# Altium PCB PCB1.PcbDoc (part 2 of 15)
Units mil, origin at the board's own origin, x right, y up, seen from the top; angles counter-clockwise.
Board outline 9210.27 x 4350.4 mil, 4 copper layers (Top Layer, Layer 1, Layer 2, Bottom Layer), stack 23.756 mil thick; 1550 components, 1731 nets, 5200 pads, 1882 vias.
Unrouted connection lines stored in the file: 605.
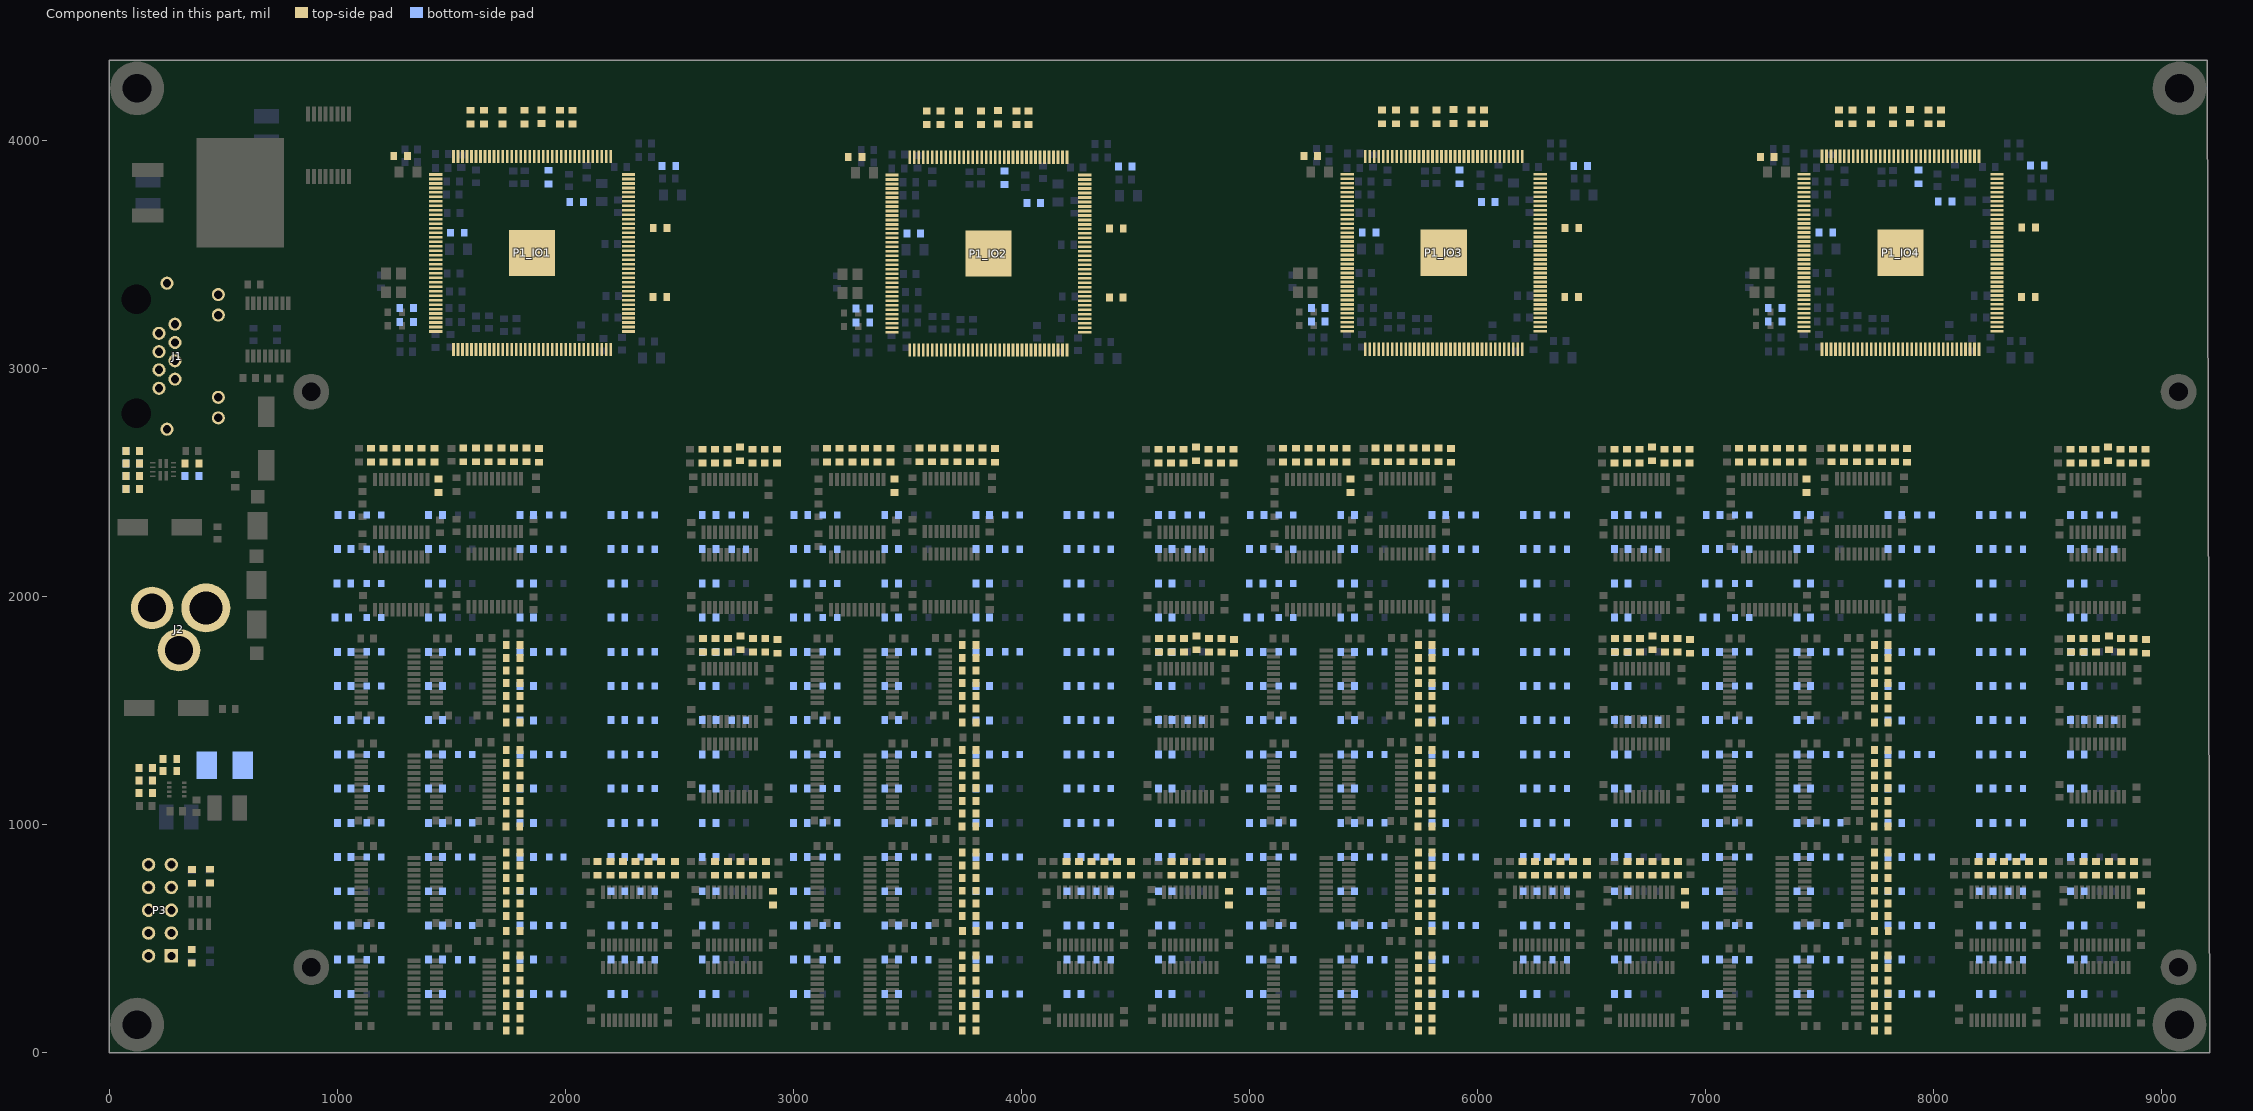
[diagram p4: the components of this part, seen from the top]

## Components (designator, comment, footprint, x,y, rotation, side; value= is the part's Value field where it differs from the comment) (continued)
D10_U_LED_BUFFER51 "LEDG" LED_0603 1160.63,1157.16 r180 bottom value=GREEN
D10_U_LED_BUFFER52 "LEDG" LED_0603 3160.63,1157.16 r180 bottom value=GREEN
D10_U_LED_BUFFER53 "LEDG" LED_0603 5160.63,1157.16 r180 bottom value=GREEN
D10_U_LED_BUFFER54 "LEDG" LED_0603 7160.63,1157.16 r180 bottom value=GREEN
D10_U_LED_BUFFER61 "LEDG" LED_0603 2760.63,1457.16 r180 bottom value=GREEN
D10_U_LED_BUFFER62 "LEDG" LED_0603 4760.63,1457.16 r180 bottom value=GREEN
D10_U_LED_BUFFER63 "LEDG" LED_0603 6760.63,1457.16 r180 bottom value=GREEN
D10_U_LED_BUFFER64 "LEDG" LED_0603 8760.63,1457.16 r180 bottom value=GREEN
D10_U_LED_BUFFER71 "LEDG" LED_0603 1960.63,857.16 r180 bottom value=GREEN
D10_U_LED_BUFFER72 "LEDG" LED_0603 3960.63,857.16 r180 bottom value=GREEN
D10_U_LED_BUFFER73 "LEDG" LED_0603 5960.63,857.16 r180 bottom value=GREEN
D10_U_LED_BUFFER74 "LEDG" LED_0603 7960.63,857.16 r180 bottom value=GREEN
D10_U_LED_BUFFER81 "LEDG" LED_0603 1560.63,407.16 r180 bottom value=GREEN
D10_U_LED_BUFFER82 "LEDG" LED_0603 3560.63,407.16 r180 bottom value=GREEN
D10_U_LED_BUFFER83 "LEDG" LED_0603 5560.63,407.16 r180 bottom value=GREEN
D10_U_LED_BUFFER84 "LEDG" LED_0603 7560.63,407.16 r180 bottom value=GREEN
D10_U_LED_BUFFER91 "LEDG" LED_0603 2360.63,407.16 r180 bottom value=GREEN
D10_U_LED_BUFFER92 "LEDG" LED_0603 4360.63,407.16 r180 bottom value=GREEN
D10_U_LED_BUFFER93 "LEDG" LED_0603 6360.63,407.16 r180 bottom value=GREEN
D10_U_LED_BUFFER94 "LEDG" LED_0603 8360.63,407.16 r180 bottom value=GREEN
D11_U_LED_BUFFER11 "LEDG" LED_0603 1160.63,1907.16 r180 bottom value=GREEN
D11_U_LED_BUFFER12 "LEDG" LED_0603 3160.63,1907.16 r180 bottom value=GREEN
D11_U_LED_BUFFER13 "LEDG" LED_0603 5160.63,1907.16 r180 bottom value=GREEN
D11_U_LED_BUFFER14 "LEDG" LED_0603 7160.63,1907.16 r180 bottom value=GREEN
D11_U_LED_BUFFER21 "LEDG" LED_0603 2360.63,2207.16 r180 bottom value=GREEN
D11_U_LED_BUFFER22 "LEDG" LED_0603 4360.63,2207.16 r180 bottom value=GREEN
D11_U_LED_BUFFER23 "LEDG" LED_0603 6360.63,2207.16 r180 bottom value=GREEN
D11_U_LED_BUFFER24 "LEDG" LED_0603 8360.63,2207.16 r180 bottom value=GREEN
D11_U_LED_BUFFER31 "LEDG" LED_0603 2760.63,2207.16 r180 bottom value=GREEN
D11_U_LED_BUFFER32 "LEDG" LED_0603 4760.63,2207.16 r180 bottom value=GREEN
D11_U_LED_BUFFER33 "LEDG" LED_0603 6760.63,2207.16 r180 bottom value=GREEN
D11_U_LED_BUFFER34 "LEDG" LED_0603 8760.63,2207.16 r180 bottom value=GREEN
D11_U_LED_BUFFER41 "LEDG" LED_0603 1160.63,1607.16 r180 bottom value=GREEN
D11_U_LED_BUFFER42 "LEDG" LED_0603 3160.63,1607.16 r180 bottom value=GREEN
D11_U_LED_BUFFER43 "LEDG" LED_0603 5160.63,1607.16 r180 bottom value=GREEN
D11_U_LED_BUFFER44 "LEDG" LED_0603 7160.63,1607.16 r180 bottom value=GREEN
D11_U_LED_BUFFER51 "LEDG" LED_0603 1960.63,1307.16 r180 bottom value=GREEN
D11_U_LED_BUFFER52 "LEDG" LED_0603 3960.63,1307.16 r180 bottom value=GREEN
D11_U_LED_BUFFER53 "LEDG" LED_0603 5960.63,1307.16 r180 bottom value=GREEN
D11_U_LED_BUFFER54 "LEDG" LED_0603 7960.63,1307.16 r180 bottom value=GREEN
D11_U_LED_BUFFER61 "LEDG" LED_0603 2360.63,1007.16 r180 bottom value=GREEN
D11_U_LED_BUFFER62 "LEDG" LED_0603 4360.63,1007.16 r180 bottom value=GREEN
D11_U_LED_BUFFER63 "LEDG" LED_0603 6360.63,1007.16 r180 bottom value=GREEN
D11_U_LED_BUFFER64 "LEDG" LED_0603 8360.63,1007.16 r180 bottom value=GREEN
D11_U_LED_BUFFER71 "LEDG" LED_0603 1560.63,857.16 r180 bottom value=GREEN
D11_U_LED_BUFFER72 "LEDG" LED_0603 3560.63,857.16 r180 bottom value=GREEN
D11_U_LED_BUFFER73 "LEDG" LED_0603 5560.63,857.16 r180 bottom value=GREEN
D11_U_LED_BUFFER74 "LEDG" LED_0603 7560.63,857.16 r180 bottom value=GREEN
D11_U_LED_BUFFER81 "LEDG" LED_0603 1160.63,407.16 r180 bottom value=GREEN
D11_U_LED_BUFFER82 "LEDG" LED_0603 3160.63,407.16 r180 bottom value=GREEN
D11_U_LED_BUFFER83 "LEDG" LED_0603 5160.63,407.16 r180 bottom value=GREEN
D11_U_LED_BUFFER84 "LEDG" LED_0603 7160.63,407.16 r180 bottom value=GREEN
D11_U_LED_BUFFER91 "LEDG" LED_0603 2360.63,557.16 r180 bottom value=GREEN
D11_U_LED_BUFFER92 "LEDG" LED_0603 4360.63,557.16 r180 bottom value=GREEN
D11_U_LED_BUFFER93 "LEDG" LED_0603 6360.63,557.16 r180 bottom value=GREEN
D11_U_LED_BUFFER94 "LEDG" LED_0603 8360.63,557.16 r180 bottom value=GREEN
D12_U_LED_BUFFER11 "LEDG" LED_0603 1160.63,2057.16 r180 bottom value=GREEN
D12_U_LED_BUFFER12 "LEDG" LED_0603 3160.63,2057.16 r180 bottom value=GREEN
D12_U_LED_BUFFER13 "LEDG" LED_0603 5160.63,2057.16 r180 bottom value=GREEN
D12_U_LED_BUFFER14 "LEDG" LED_0603 7160.63,2057.16 r180 bottom value=GREEN
D12_U_LED_BUFFER21 "LEDG" LED_0603 1960.63,2207.16 r180 bottom value=GREEN
D12_U_LED_BUFFER22 "LEDG" LED_0603 3960.63,2207.16 r180 bottom value=GREEN
D12_U_LED_BUFFER23 "LEDG" LED_0603 5960.63,2207.16 r180 bottom value=GREEN
D12_U_LED_BUFFER24 "LEDG" LED_0603 7960.63,2207.16 r180 bottom value=GREEN
D12_U_LED_BUFFER31 "LEDG" LED_0603 2760.63,2357.16 r180 bottom value=GREEN
D12_U_LED_BUFFER32 "LEDG" LED_0603 4760.63,2357.16 r180 bottom value=GREEN
D12_U_LED_BUFFER33 "LEDG" LED_0603 6760.63,2357.16 r180 bottom value=GREEN
D12_U_LED_BUFFER34 "LEDG" LED_0603 8760.63,2357.16 r180 bottom value=GREEN
D12_U_LED_BUFFER41 "LEDG" LED_0603 1960.63,1757.16 r180 bottom value=GREEN
D12_U_LED_BUFFER42 "LEDG" LED_0603 3960.63,1757.16 r180 bottom value=GREEN
D12_U_LED_BUFFER43 "LEDG" LED_0603 5960.63,1757.16 r180 bottom value=GREEN
D12_U_LED_BUFFER44 "LEDG" LED_0603 7960.63,1757.16 r180 bottom value=GREEN
D12_U_LED_BUFFER51 "LEDG" LED_0603 1560.63,1307.16 r180 bottom value=GREEN
D12_U_LED_BUFFER52 "LEDG" LED_0603 3560.63,1307.16 r180 bottom value=GREEN
D12_U_LED_BUFFER53 "LEDG" LED_0603 5560.63,1307.16 r180 bottom value=GREEN
D12_U_LED_BUFFER54 "LEDG" LED_0603 7560.63,1307.16 r180 bottom value=GREEN
D12_U_LED_BUFFER61 "LEDG" LED_0603 2360.63,1157.16 r180 bottom value=GREEN
D12_U_LED_BUFFER62 "LEDG" LED_0603 4360.63,1157.16 r180 bottom value=GREEN
D12_U_LED_BUFFER63 "LEDG" LED_0603 6360.63,1157.16 r180 bottom value=GREEN
D12_U_LED_BUFFER64 "LEDG" LED_0603 8360.63,1157.16 r180 bottom value=GREEN
D12_U_LED_BUFFER71 "LEDG" LED_0603 1160.63,857.16 r180 bottom value=GREEN
D12_U_LED_BUFFER72 "LEDG" LED_0603 3160.63,857.16 r180 bottom value=GREEN
D12_U_LED_BUFFER73 "LEDG" LED_0603 5160.63,857.16 r180 bottom value=GREEN
D12_U_LED_BUFFER74 "LEDG" LED_0603 7160.63,857.16 r180 bottom value=GREEN
D12_U_LED_BUFFER81 "LEDG" LED_0603 1960.63,557.16 r180 bottom value=GREEN
D12_U_LED_BUFFER82 "LEDG" LED_0603 3960.63,557.16 r180 bottom value=GREEN
D12_U_LED_BUFFER83 "LEDG" LED_0603 5960.63,557.16 r180 bottom value=GREEN
D12_U_LED_BUFFER84 "LEDG" LED_0603 7960.63,557.16 r180 bottom value=GREEN
D12_U_LED_BUFFER91 "LEDG" LED_0603 2360.63,707.16 r180 bottom value=GREEN
D12_U_LED_BUFFER92 "LEDG" LED_0603 4360.63,707.16 r180 bottom value=GREEN
D12_U_LED_BUFFER93 "LEDG" LED_0603 6360.63,707.16 r180 bottom value=GREEN
D12_U_LED_BUFFER94 "LEDG" LED_0603 8360.63,707.16 r180 bottom value=GREEN
D13_U_LED_BUFFER11 "LEDG" LED_0603 1160.63,2207.16 r180 bottom value=GREEN
D13_U_LED_BUFFER12 "LEDG" LED_0603 3160.63,2207.17 r180 bottom value=GREEN
D13_U_LED_BUFFER13 "LEDG" LED_0603 5160.63,2207.16 r180 bottom value=GREEN
D13_U_LED_BUFFER14 "LEDG" LED_0603 7160.63,2207.16 r180 bottom value=GREEN
D13_U_LED_BUFFER21 "LEDG" LED_0603 2360.63,2357.16 r180 bottom value=GREEN
D13_U_LED_BUFFER22 "LEDG" LED_0603 4360.63,2357.16 r180 bottom value=GREEN
D13_U_LED_BUFFER23 "LEDG" LED_0603 6360.63,2357.16 r180 bottom value=GREEN
D13_U_LED_BUFFER24 "LEDG" LED_0603 8360.63,2357.16 r180 bottom value=GREEN
D13_U_LED_BUFFER31 "LEDG" LED_0603 2360.63,1607.16 r180 bottom value=GREEN
D13_U_LED_BUFFER32 "LEDG" LED_0603 4360.63,1607.16 r180 bottom value=GREEN
D13_U_LED_BUFFER33 "LEDG" LED_0603 6360.63,1607.16 r180 bottom value=GREEN
D13_U_LED_BUFFER34 "LEDG" LED_0603 8360.63,1607.16 r180 bottom value=GREEN
D13_U_LED_BUFFER41 "LEDG" LED_0603 1560.63,1757.16 r180 bottom value=GREEN
D13_U_LED_BUFFER42 "LEDG" LED_0603 3560.63,1757.16 r180 bottom value=GREEN
D13_U_LED_BUFFER43 "LEDG" LED_0603 5560.63,1757.16 r180 bottom value=GREEN
D13_U_LED_BUFFER44 "LEDG" LED_0603 7560.63,1757.16 r180 bottom value=GREEN
D13_U_LED_BUFFER51 "LEDG" LED_0603 1160.63,1307.16 r180 bottom value=GREEN
D13_U_LED_BUFFER52 "LEDG" LED_0603 3160.63,1307.16 r180 bottom value=GREEN
D13_U_LED_BUFFER53 "LEDG" LED_0603 5160.63,1307.16 r180 bottom value=GREEN
D13_U_LED_BUFFER54 "LEDG" LED_0603 7160.63,1307.16 r180 bottom value=GREEN
D13_U_LED_BUFFER61 "LEDG" LED_0603 2360.63,1457.16 r180 bottom value=GREEN
D13_U_LED_BUFFER62 "LEDG" LED_0603 4360.63,1457.16 r180 bottom value=GREEN
D13_U_LED_BUFFER63 "LEDG" LED_0603 6360.63,1457.16 r180 bottom value=GREEN
D13_U_LED_BUFFER64 "LEDG" LED_0603 8360.63,1457.16 r180 bottom value=GREEN
D13_U_LED_BUFFER71 "LEDG" LED_0603 1560.63,1007.16 r180 bottom value=GREEN
D13_U_LED_BUFFER72 "LEDG" LED_0603 3560.63,1007.16 r180 bottom value=GREEN
D13_U_LED_BUFFER73 "LEDG" LED_0603 5560.63,1007.16 r180 bottom value=GREEN
D13_U_LED_BUFFER74 "LEDG" LED_0603 7560.63,1007.16 r180 bottom value=GREEN
D13_U_LED_BUFFER81 "LEDG" LED_0603 1560.63,557.16 r180 bottom value=GREEN
D13_U_LED_BUFFER82 "LEDG" LED_0603 3560.63,557.16 r180 bottom value=GREEN
D13_U_LED_BUFFER83 "LEDG" LED_0603 5560.63,557.16 r180 bottom value=GREEN
D13_U_LED_BUFFER84 "LEDG" LED_0603 7560.63,557.16 r180 bottom value=GREEN
D13_U_LED_BUFFER91 "LEDG" LED_0603 2360.63,857.16 r180 bottom value=GREEN
D13_U_LED_BUFFER92 "LEDG" LED_0603 4360.63,857.16 r180 bottom value=GREEN
D13_U_LED_BUFFER93 "LEDG" LED_0603 6360.63,857.16 r180 bottom value=GREEN
D13_U_LED_BUFFER94 "LEDG" LED_0603 8360.63,857.16 r180 bottom value=GREEN
D14_U_LED_BUFFER11 "LEDG" LED_0603 1160.63,2357.16 r180 bottom value=GREEN
D14_U_LED_BUFFER12 "LEDG" LED_0603 3160.63,2357.17 r180 bottom value=GREEN
D14_U_LED_BUFFER13 "LEDG" LED_0603 5160.63,2357.16 r180 bottom value=GREEN
D14_U_LED_BUFFER14 "LEDG" LED_0603 7160.63,2357.16 r180 bottom value=GREEN
D14_U_LED_BUFFER21 "LEDG" LED_0603 1960.63,2357.16 r180 bottom value=GREEN
D14_U_LED_BUFFER22 "LEDG" LED_0603 3960.63,2357.16 r180 bottom value=GREEN
D14_U_LED_BUFFER23 "LEDG" LED_0603 5960.63,2357.16 r180 bottom value=GREEN
D14_U_LED_BUFFER24 "LEDG" LED_0603 7960.63,2357.16 r180 bottom value=GREEN
D14_U_LED_BUFFER31 "LEDG" LED_0603 2360.63,1757.16 r180 bottom value=GREEN
D14_U_LED_BUFFER32 "LEDG" LED_0603 4360.63,1757.16 r180 bottom value=GREEN
D14_U_LED_BUFFER33 "LEDG" LED_0603 6360.63,1757.16 r180 bottom value=GREEN
D14_U_LED_BUFFER34 "LEDG" LED_0603 8360.63,1757.16 r180 bottom value=GREEN
D14_U_LED_BUFFER41 "LEDG" LED_0603 1160.63,1757.16 r180 bottom value=GREEN
D14_U_LED_BUFFER42 "LEDG" LED_0603 3160.63,1757.16 r180 bottom value=GREEN
D14_U_LED_BUFFER43 "LEDG" LED_0603 5160.63,1757.16 r180 bottom value=GREEN
D14_U_LED_BUFFER44 "LEDG" LED_0603 7160.63,1757.16 r180 bottom value=GREEN
D14_U_LED_BUFFER51 "LEDG" LED_0603 1160.63,1457.16 r180 bottom value=GREEN
D14_U_LED_BUFFER52 "LEDG" LED_0603 3160.63,1457.16 r180 bottom value=GREEN
D14_U_LED_BUFFER53 "LEDG" LED_0603 5160.63,1457.16 r180 bottom value=GREEN
D14_U_LED_BUFFER54 "LEDG" LED_0603 7160.63,1457.16 r180 bottom value=GREEN
D14_U_LED_BUFFER61 "LEDG" LED_0603 2360.63,1307.16 r180 bottom value=GREEN
D14_U_LED_BUFFER62 "LEDG" LED_0603 4360.63,1307.16 r180 bottom value=GREEN
D14_U_LED_BUFFER63 "LEDG" LED_0603 6360.63,1307.16 r180 bottom value=GREEN
D14_U_LED_BUFFER64 "LEDG" LED_0603 8360.63,1307.16 r180 bottom value=GREEN
D14_U_LED_BUFFER71 "LEDG" LED_0603 1160.63,1007.16 r180 bottom value=GREEN
D14_U_LED_BUFFER72 "LEDG" LED_0603 3160.63,1007.16 r180 bottom value=GREEN
D14_U_LED_BUFFER73 "LEDG" LED_0603 5160.63,1007.16 r180 bottom value=GREEN
D14_U_LED_BUFFER74 "LEDG" LED_0603 7160.63,1007.16 r180 bottom value=GREEN
D14_U_LED_BUFFER81 "LEDG" LED_0603 1160.63,557.16 r180 bottom value=GREEN
D14_U_LED_BUFFER82 "LEDG" LED_0603 3160.63,557.16 r180 bottom value=GREEN
D14_U_LED_BUFFER83 "LEDG" LED_0603 5160.63,557.16 r180 bottom value=GREEN
D14_U_LED_BUFFER84 "LEDG" LED_0603 7160.63,557.16 r180 bottom value=GREEN
D14_U_LED_BUFFER91 "LEDG" LED_0603 1960.63,257.16 r180 bottom value=GREEN
D14_U_LED_BUFFER92 "LEDG" LED_0603 3960.63,257.16 r180 bottom value=GREEN
D14_U_LED_BUFFER93 "LEDG" LED_0603 5960.63,257.16 r180 bottom value=GREEN
D14_U_LED_BUFFER94 "LEDG" LED_0603 7960.63,257.16 r180 bottom value=GREEN
J1 "RJHSE-5381" RJHSE5381 213.13,3050.74 r270 top locked
J2 "PJ-002BH" PJ002BH 423.8,1949.61 r180 top value=-
L1_POWER1 "100R,1A" 0603L 1277.6,3930.4 r180 top value=100R/1A
L1_POWER2 "100R,1A" 0603L 3270.63,3927.17 r180 top value=100R/1A
L1_POWER3 "100R,1A" 0603L 5269.01,3931.62 r180 top value=100R/1A
L1_POWER4 "100R,1A" 0603L 7270.63,3927.17 r180 top value=100R/1A
L3_POWER1 "100R,1A" 0603L 2454.2,3887.77 r0 bottom value=100R/1A
L3_POWER2 "100R,1A" 0603L 4455.3,3885.17 r0 bottom value=100R/1A
L3_POWER3 "100R,1A" 0603L 6452.2,3888.61 r0 bottom value=100R/1A
L3_POWER4 "100R,1A" 0603L 8455.2,3888.77 r0 bottom value=100R/1A
L4 "2.2uH" IHLP1616BZER2R2M5A 427.22,1259.14 r0 bottom
P1_IO1 "10M04SC E144" 10M04SCE144C8G 1854.1,3506.11 r0 top
P1_IO2 "10M04SC E144" 10M04SCE144C8G 3855.2,3503.51 r0 top
P1_IO3 "10M04SC E144" 10M04SCE144C8G 5852.1,3506.96 r0 top
P1_IO4 "10M04SC E144" 10M04SCE144C8G 7855.1,3507.11 r0 top locked
P3 "JTAG" HDR2X5 272.17,423.87 r90 top
R1_IO1 "10K" 0603R 1526.83,3594.87 r0 bottom
R1_IO2 "10K" 0603R 3527.93,3592.27 r0 bottom
R1_IO3 "10K" 0603R 5524.83,3595.72 r0 bottom
R1_IO4 "10K" 0603R 7527.83,3595.87 r0 bottom
R2_IO1 "10K" 0603R 1583.83,4101.87 r90 top
R2_IO2 "10K" 0603R 3584.93,4099.27 r90 top
R2_IO3 "10K" 0603R 5581.83,4102.72 r90 top
R2_IO4 "10K" 0603R 7584.83,4102.87 r90 top
R3_IO1 "10K" 0603R 1643.83,4101.87 r90 top
R3_IO2 "10K" 0603R 3644.93,4099.27 r90 top
R3_IO3 "10K" 0603R 5641.83,4102.72 r90 top
R3_IO4 "10K" 0603R 7644.83,4102.87 r90 top
R4_IO1 "10K" 0603R 1724.83,4101.87 r90 top
R4_IO2 "10K" 0603R 3725.93,4099.27 r90 top
R4_IO3 "10K" 0603R 5722.83,4102.72 r90 top
R4_IO4 "10K" 0603R 7725.83,4102.87 r90 top
R5_IO1 "10K" 0603R 1821.83,4101.87 r90 top
R5_IO2 "10K" 0603R 3822.93,4099.27 r90 top
R5_IO3 "10K" 0603R 5819.83,4102.72 r90 top
R5_IO4 "10K" 0603R 7822.83,4102.87 r90 top
R6_IO1 "10K" 0603R 1976.83,4101.87 r90 top
R6_IO2 "10K" 0603R 3977.93,4099.27 r90 top
R6_IO3 "10K" 0603R 5974.83,4102.72 r90 top
R6_IO4 "10K" 0603R 7977.83,4102.87 r90 top
R7_IO1 "10K" 0603R 2030.83,4101.87 r90 top
R7_IO2 "10K" 0603R 4031.93,4099.27 r90 top
R7_IO3 "10K" 0603R 6028.83,4102.72 r90 top
R7_IO4 "10K" 0603R 8031.83,4102.87 r90 top
R8_IO1 "220R" 0603R 1303.83,3264.87 r180 bottom
R8_IO2 "220R" 0603R 3304.93,3262.27 r180 bottom
R8_IO3 "220R" 0603R 5301.83,3265.72 r180 bottom
R8_IO4 "220R" 0603R 7304.83,3265.87 r180 bottom
R9_U_LED_BUFFER11 "330R" 0603R 1430.63,1907.16 r0 bottom
R9_U_LED_BUFFER12 "330R" 0603R 3430.63,1907.16 r0 bottom
R9_U_LED_BUFFER13 "330R" 0603R 5430.63,1907.16 r0 bottom
R9_U_LED_BUFFER14 "330R" 0603R 7430.63,1907.16 r0 bottom
R9_U_LED_BUFFER21 "330R" 0603R 1830.63,1907.16 r0 bottom
R9_U_LED_BUFFER22 "330R" 0603R 3830.63,1907.16 r0 bottom
R9_U_LED_BUFFER23 "330R" 0603R 5830.63,1907.16 r0 bottom
R9_U_LED_BUFFER24 "330R" 0603R 7830.63,1907.16 r0 bottom
R9_U_LED_BUFFER31 "330R" 0603R 2630.63,1757.16 r0 bottom
R9_U_LED_BUFFER32 "330R" 0603R 4630.63,1757.16 r0 bottom
R9_U_LED_BUFFER33 "330R" 0603R 6630.63,1757.16 r0 bottom
R9_U_LED_BUFFER34 "330R" 0603R 8630.63,1757.16 r0 bottom
R9_U_LED_BUFFER41 "330R" 0603R 1430.63,1457.16 r0 bottom
R9_U_LED_BUFFER42 "330R" 0603R 3430.63,1457.16 r0 bottom
R9_U_LED_BUFFER43 "330R" 0603R 5430.63,1457.16 r0 bottom
R9_U_LED_BUFFER44 "330R" 0603R 7430.63,1457.16 r0 bottom
R9_U_LED_BUFFER51 "330R" 0603R 1830.63,1007.16 r0 bottom
R9_U_LED_BUFFER52 "330R" 0603R 3830.63,1007.16 r0 bottom
R9_U_LED_BUFFER53 "330R" 0603R 5830.63,1007.16 r0 bottom
R9_U_LED_BUFFER54 "330R" 0603R 7830.63,1007.16 r0 bottom
R9_U_LED_BUFFER61 "330R" 0603R 2630.63,1007.16 r0 bottom
R9_U_LED_BUFFER62 "330R" 0603R 4630.63,1007.16 r0 bottom
R9_U_LED_BUFFER63 "330R" 0603R 6630.63,1007.16 r0 bottom
R9_U_LED_BUFFER64 "330R" 0603R 8630.63,1007.16 r0 bottom
R9_U_LED_BUFFER71 "330R" 0603R 1830.63,707.16 r0 bottom
R9_U_LED_BUFFER72 "330R" 0603R 3830.63,707.16 r0 bottom
R9_U_LED_BUFFER73 "330R" 0603R 5830.63,707.16 r0 bottom
R9_U_LED_BUFFER74 "330R" 0603R 7830.63,707.16 r0 bottom
R9_U_LED_BUFFER81 "330R" 0603R 1430.63,257.16 r0 bottom
R9_U_LED_BUFFER82 "330R" 0603R 3430.63,257.16 r0 bottom
R9_U_LED_BUFFER83 "330R" 0603R 5430.63,257.16 r0 bottom
R9_U_LED_BUFFER84 "330R" 0603R 7430.63,257.16 r0 bottom
R9_U_LED_BUFFER91 "330R" 0603R 2630.63,707.16 r0 bottom
R9_U_LED_BUFFER92 "330R" 0603R 4630.63,707.16 r0 bottom
R9_U_LED_BUFFER93 "330R" 0603R 6630.63,707.16 r0 bottom
R9_U_LED_BUFFER94 "330R" 0603R 8630.63,707.16 r0 bottom
R9_U_LED_BUFFER101 "330R" 0603R 2630.63,557.16 r0 bottom
R9_U_LED_BUFFER102 "330R" 0603R 4630.63,557.16 r0 bottom
R9_U_LED_BUFFER103 "330R" 0603R 6630.63,557.16 r0 bottom
R9_U_LED_BUFFER104 "330R" 0603R 8630.63,557.16 r0 bottom
R10 "10K" 0603R 361.67,422.27 r270 top
R11 "10K" 0603R 361.77,772.47 r90 top
R12 "1K" 0603R 441.17,773.87 r90 top
R13_IO1 "1K" 0603R 1895.83,4103.87 r90 top
R13_IO2 "1K" 0603R 3896.93,4101.27 r90 top
R13_IO3 "1K" 0603R 5893.83,4104.72 r90 top
R13_IO4 "1K" 0603R 7896.83,4104.87 r90 top
R14_IO1 "4.7K" 0603R 2415.83,3615.87 r180 top
R14_IO2 "4.7K" 0603R 4416.93,3613.27 r180 top
R14_IO3 "4.7K" 0603R 6413.83,3616.72 r180 top
R14_IO4 "4.7K" 0603R 8416.83,3616.87 r180 top
R15 "604K" 0603R 160.02,1137.02 r0 top
R16 "20R" 0603R 160.02,1192.13 r0 top
R17_U_LED_BUFFER11 "330R" 0603R 1430.63,2057.16 r0 bottom
R17_U_LED_BUFFER12 "330R" 0603R 3430.63,2057.16 r0 bottom
R17_U_LED_BUFFER13 "330R" 0603R 5430.63,2057.16 r0 bottom
R17_U_LED_BUFFER14 "330R" 0603R 7430.63,2057.16 r0 bottom
R17_U_LED_BUFFER21 "330R" 0603R 2230.63,1907.16 r0 bottom
R17_U_LED_BUFFER22 "330R" 0603R 4230.63,1907.16 r0 bottom
R17_U_LED_BUFFER23 "330R" 0603R 6230.63,1907.16 r0 bottom
R17_U_LED_BUFFER24 "330R" 0603R 8230.63,1907.16 r0 bottom
R17_U_LED_BUFFER31 "330R" 0603R 2630.63,1607.16 r0 bottom
R17_U_LED_BUFFER32 "330R" 0603R 4630.63,1607.16 r0 bottom
R17_U_LED_BUFFER33 "330R" 0603R 6630.63,1607.16 r0 bottom
R17_U_LED_BUFFER34 "330R" 0603R 8630.63,1607.16 r0 bottom
R17_U_LED_BUFFER41 "330R" 0603R 1830.44,1455.14 r0 bottom
R17_U_LED_BUFFER42 "330R" 0603R 3830.44,1455.14 r0 bottom
R17_U_LED_BUFFER43 "330R" 0603R 5830.44,1455.14 r0 bottom
R17_U_LED_BUFFER44 "330R" 0603R 7830.44,1455.14 r0 bottom
R17_U_LED_BUFFER51 "330R" 0603R 1830.63,1157.16 r0 bottom
R17_U_LED_BUFFER52 "330R" 0603R 3830.63,1157.16 r0 bottom
R17_U_LED_BUFFER53 "330R" 0603R 5830.63,1157.16 r0 bottom
R17_U_LED_BUFFER54 "330R" 0603R 7830.63,1157.16 r0 bottom
R17_U_LED_BUFFER61 "330R" 0603R 2630.63,1157.16 r0 bottom
R17_U_LED_BUFFER62 "330R" 0603R 4630.63,1157.16 r0 bottom
R17_U_LED_BUFFER63 "330R" 0603R 6630.63,1157.16 r0 bottom
R17_U_LED_BUFFER64 "330R" 0603R 8630.63,1157.16 r0 bottom
R17_U_LED_BUFFER71 "330R" 0603R 1430.63,707.16 r0 bottom
R17_U_LED_BUFFER72 "330R" 0603R 3430.63,707.16 r0 bottom
R17_U_LED_BUFFER73 "330R" 0603R 5430.63,707.16 r0 bottom
R17_U_LED_BUFFER74 "330R" 0603R 7430.63,707.16 r0 bottom
R17_U_LED_BUFFER81 "330R" 0603R 1030.63,257.16 r0 bottom
R17_U_LED_BUFFER82 "330R" 0603R 3030.63,257.16 r0 bottom
R17_U_LED_BUFFER83 "330R" 0603R 5030.63,257.16 r0 bottom
R17_U_LED_BUFFER84 "330R" 0603R 7030.63,257.16 r0 bottom
R17_U_LED_BUFFER91 "330R" 0603R 2630.63,857.16 r0 bottom
R17_U_LED_BUFFER92 "330R" 0603R 4630.63,857.16 r0 bottom
R17_U_LED_BUFFER93 "330R" 0603R 6630.63,857.16 r0 bottom
R17_U_LED_BUFFER94 "330R" 0603R 8630.63,857.16 r0 bottom
R17_U_LED_BUFFER101 "330R" 0603R 2630.63,407.16 r0 bottom
R17_U_LED_BUFFER102 "330R" 0603R 4630.63,407.16 r0 bottom
R17_U_LED_BUFFER103 "330R" 0603R 6630.63,407.16 r0 bottom
R17_U_LED_BUFFER104 "330R" 0603R 8630.63,407.16 r0 bottom
R18 "40.2K" 0603R 160.32,1248.03 r0 top
R19_U_LED_BUFFER11 "330R" 0603R 1430.63,2207.16 r0 bottom
R19_U_LED_BUFFER12 "330R" 0603R 3430.63,2207.16 r0 bottom
R19_U_LED_BUFFER13 "330R" 0603R 5430.63,2207.16 r0 bottom
R19_U_LED_BUFFER14 "330R" 0603R 7430.63,2207.16 r0 bottom
R19_U_LED_BUFFER21 "330R" 0603R 2230.63,2057.16 r0 bottom
R19_U_LED_BUFFER22 "330R" 0603R 4230.63,2057.16 r0 bottom
R19_U_LED_BUFFER23 "330R" 0603R 6230.63,2057.16 r0 bottom
R19_U_LED_BUFFER24 "330R" 0603R 8230.63,2057.16 r0 bottom
R19_U_LED_BUFFER31 "330R" 0603R 2630.63,1907.16 r0 bottom
R19_U_LED_BUFFER32 "330R" 0603R 4630.63,1907.16 r0 bottom
R19_U_LED_BUFFER33 "330R" 0603R 6630.63,1907.16 r0 bottom
R19_U_LED_BUFFER34 "330R" 0603R 8630.63,1907.16 r0 bottom
R19_U_LED_BUFFER41 "330R" 0603R 1830.63,1607.16 r0 bottom
R19_U_LED_BUFFER42 "330R" 0603R 3830.63,1607.16 r0 bottom
R19_U_LED_BUFFER43 "330R" 0603R 5830.63,1607.16 r0 bottom
R19_U_LED_BUFFER44 "330R" 0603R 7830.63,1607.16 r0 bottom
R19_U_LED_BUFFER51 "330R" 0603R 1430.63,1157.16 r0 bottom
R19_U_LED_BUFFER52 "330R" 0603R 3430.63,1157.16 r0 bottom
R19_U_LED_BUFFER53 "330R" 0603R 5430.63,1157.16 r0 bottom
R19_U_LED_BUFFER54 "330R" 0603R 7430.63,1157.16 r0 bottom
R19_U_LED_BUFFER61 "330R" 0603R 2630.63,1307.16 r0 bottom
R19_U_LED_BUFFER62 "330R" 0603R 4630.63,1307.16 r0 bottom
R19_U_LED_BUFFER63 "330R" 0603R 6630.63,1307.16 r0 bottom
R19_U_LED_BUFFER64 "330R" 0603R 8630.63,1307.16 r0 bottom
R19_U_LED_BUFFER71 "330R" 0603R 1030.63,707.16 r0 bottom
R19_U_LED_BUFFER72 "330R" 0603R 3030.63,707.16 r0 bottom
R19_U_LED_BUFFER73 "330R" 0603R 5030.63,707.16 r0 bottom
R19_U_LED_BUFFER74 "330R" 0603R 7030.63,707.16 r0 bottom
R19_U_LED_BUFFER81 "330R" 0603R 1830.63,407.16 r0 bottom
R19_U_LED_BUFFER82 "330R" 0603R 3830.63,407.16 r0 bottom
R19_U_LED_BUFFER83 "330R" 0603R 5830.63,407.16 r0 bottom
R19_U_LED_BUFFER84 "330R" 0603R 7830.63,407.16 r0 bottom
R19_U_LED_BUFFER91 "330R" 0603R 2230.63,257.16 r0 bottom
R19_U_LED_BUFFER92 "330R" 0603R 4230.63,257.16 r0 bottom
R19_U_LED_BUFFER93 "330R" 0603R 6230.63,257.16 r0 bottom
R19_U_LED_BUFFER94 "330R" 0603R 8230.63,257.16 r0 bottom